# Altium PCB BMD-300-Eval.PcbDoc (part 2 of 3)
Units mm, origin at the board's own origin, x right, y up, seen from the top; angles counter-clockwise.
Board outline 87.63 x 55.88 mm, 4 copper layers (Top, Layer 2, Layer 3, Bottom), stack 1.58 mm thick; 189 components, 108 nets, 599 pads, 464 vias.
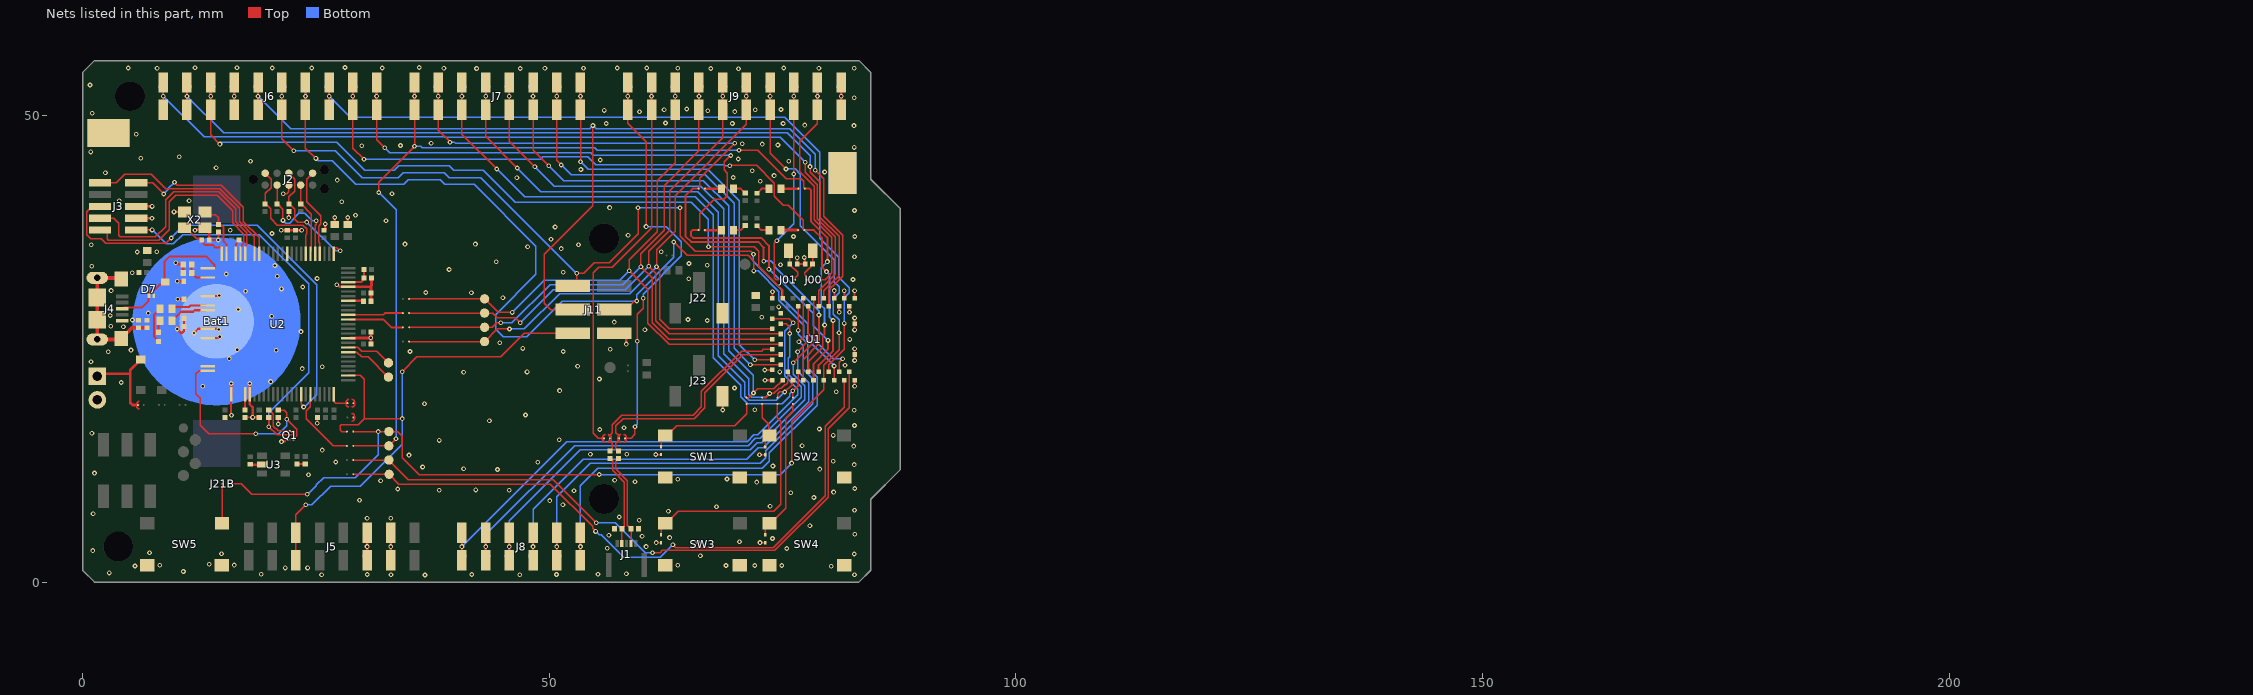
[diagram p4: the nets of this part, all layers, seen from the top]

## Via types
v1: diameter 0.508, hole 0.254, Top to Bottom, tented both sides, 241 vias
v2: diameter 0.508, hole 0.254, Top to Bottom, 223 vias

## Nets (pads, with @x,y where several pads share a name; then routed paths per layer and width w, separated by ;. In a path a pad name is that pad's centre, name@x,y a point inside that pad or via, vN(x,y) a via of type N, cw(c..) or ccw(c..) an arc to the next point about the centre after c; other vN are vias at no path point) (continued)
DHSD_P: D7.2 J4.3 R25.1 U2.76 | length 15
  Top w0.203: J4.3@4.404,29.423 6.314,29.423 7.069,30.178 7.069,30.651 D7.2@7.112,30.694 7.112,31.021 7.546,31.455 7.815,31.455 8.24,31.88 R25.1@8.54,31.88 ; R25.1@8.765,32.255 8.765,34.33 9.335,34.9 13.247,34.9 14.125,34.022 14.125,33.734 14.039,33.648 U2.76@13.139,33.648
EXT_GND_DETECT: J3.9 U2.67 | length 19.3
  Top w0.152: J3.9@5.76,42.799 7.494,42.799 v2(8.697,41.596) ; v2(9.847,42.846) 10.147,42.546 14.847,42.546 17.222,40.171 17.222,38.639 18.914,36.947 U2.67@18.914,35.173
  Bottom w0.152: v2(8.697,41.596) 9.197,42.096 9.197,42.196 v2(9.847,42.846)
EXT_RESETN: J3.10 U2.68 | length 22.4
  Top w0.152: J3.10@1.86,42.799 3.575,42.799 4.497,43.721 7.347,43.721 8.897,42.171 14.697,42.171 16.822,40.046 16.822,38.608 18.414,37.016 U2.68@18.414,35.173
EXT_SWCLK: J3.4 U2.70 | length 25.9
  Top w0.152: J3.4@1.86,38.989 3.329,38.989 3.872,38.446 3.872,37.171 4.047,36.996 7.797,36.996 8.89,38.089 8.89,40.964 9.747,41.821 14.572,41.821 16.397,39.996 16.397,38.602 17.577,37.422 17.577,36.21 17.472,36.106 17.472,35.896 17.414,35.838 U2.70@17.414,35.173
EXT_SWDIO: J3.2 U2.71 | length 24.8
  Top w0.152: J3.2@1.86,37.719 2.349,37.719 2.622,37.446 2.622,36.796 2.766,36.652 8.178,36.652 9.271,37.745 9.271,40.745 9.997,41.471 14.422,41.471 16.072,39.821 16.072,38.496 17.272,37.296 17.272,36.337 17.06,36.125 17.06,36.009 16.914,35.863 U2.71@16.914,35.173
EXT_SWO: J3.6 U2.18 | length 47.8
  Top w0.152: J3.6@1.86,40.259 1.016,40.259 0.431,39.674 0.431,37.219 0.871,36.779 2.007,36.779 2.489,36.297 8.915,36.297 v2(9.5,36.881) ; U2.18@23.414,20.123 23.414,19.055 23.673,18.796 v2(23.673,18.771)
  Bottom w0.152: v2(9.5,36.881) 10.846,38.227 18.694,38.227 25.07,31.852 25.07,20.091 23.724,18.745 23.698,18.771 v2(23.673,18.771)
EXT_VTG: J3.1 Q1.4 R13.1 | length 43.1
  Top w0.152: J3.1@5.76,37.719 5.785,37.744 v2(7.442,37.744) ; R13.1@19.939,17.634 v2(19.939,16.662) 20.828,15.773 22.454,15.773 22.575,15.895 Q1.4@22.575,16.198
  Bottom w0.152: v2(7.442,37.744) 8.941,36.246 9.728,36.246 10.719,37.236 18.923,37.236 24.206,31.953 24.206,22.428 19.939,18.161 v2(19.939,16.662)
GND: Bat1.2 C1.2 C2.1 C3.2 C4.2 C5.2 C6.2 C7.2 C8.2 C9.2 C10.2 C11.2 C12.2 C13.2 C14.2 C15.2 C16.2 C17.2 C18.2 C19.2 C20.2 C21.2 C22.2 C23.2 C24.2 C25.2 C26.2 C27.2 C28.1 C29.2 C30.2 D1.2 D2.2 D3.2 D4.2 D7.3 J2.3 J3.3 J3.5 J4.5 J5.6 J5.7 J6.4 J9.10 J11.6 J12.2 J22.1 J23.1 JJLD.1 JVCD.1 Q1.1 R12.1 R14.2 R15.1 R16.1 R17.2 R24.1 R26.2 SW1.3 SW1.4 SW2.3 SW2.4 SW3.3 SW3.4 SW4.3 SW4.4 SW5.3 SW5.4 TP50.1 TP51.1 TP52.1 TP53.1 TP56.1 TP57.1 TP58.1 U1.1 U1.2 U1.3 U1.4 U1.5 U1.16 U1.18 U1.29 U1.30 U1.45 U1.46 U1.47 U2.3 U2.7 U2.35 U2.46 U2.61 U2.72 U2.82 U2.89 U2.91 U2.97 U3.2 X2.2 X2.4 | length 78.7
  Top w0.152: R17.2@17.399,17.653 v2(18.212,17.653) ; v2(20.955,16.942) R12.1@20.955,17.634 ; v2(21.488,41.605) 21.869,41.605 22.098,41.834 J2.3@22.098,42.545 ; v2(22.098,39.065) R16.1@22.098,39.732 ; v1(25.146,17.018) C18.2@25.146,17.634 ; v2(61.418,13.677) D1.2@61.976,13.677 ; v2(61.455,4.24) D3.2@61.976,4.24 ; v2(72.523,13.638) D2.2@73.152,13.638 ; v2(72.575,4.24) D4.2@73.152,4.24
  Top w0.203: U2.82@13.139,30.648 14.595,30.648 14.63,30.683 v2(14.63,30.709) ; U2.91@13.389,26.148 14.568,26.148 v2(14.707,26.286) ; v2@15.906,17.811 15.906,18.275 15.9,18.281 15.9,19.859 U2.3@15.906,19.865 ; U2.72@16.414,35.423 16.415,35.424 16.415,36.23 C14.2@16.742,36.557 ; v2(21.311,15.062) 21.639,15.062 Q1.1@21.871,15.294 ; v2(76.571,34.749) C5.2@76.571,34.092 C4.2@77.422,34.092 77.394,34.12 77.394,34.715 v2(77.318,34.791) 77.318,34.809 v2@77.339,34.831 ; U1.5@80.515,30.44 80.543,30.468 v2(80.543,31.242) ; v2(81.065,28.93) U1.4@81.065,29.54 ; U1.3@81.615,30.44 v2(81.615,31.23) ; v2(82.165,28.93) U1.2@82.165,29.54 ; v2(82.715,20.98) U1.45@82.715,21.64 ; v2(82.715,23.755) U1.46@82.715,24.39 v2(82.715,25.005) ; v2(82.715,27.03) U1.47@82.715,27.69 v2(82.715,28.305) ; U1.1@82.715,30.44 v2(82.715,31.23)
  Top w0.254: J3.3@5.76,38.989 v2(7.431,38.989) ; J3.5@5.76,40.259 v2(7.444,40.259) ; v2(9.796,39.674) X2.2@10.924,39.674 ; v2(9.982,34.214) 10.135,34.061 10.747,34.061 R15.1@10.783,34.025 C10.2@10.783,33.136 ; v2(10.148,32.247) C9.2@10.833,32.247 ; v2(10.18,30.315) C7.2@10.862,30.315 ; v2@10.191,27.329 10.135,27.272 v2(10.135,27.127) 10.604,26.657 10.862,26.915 C8.2@10.862,27.394 C6.2@10.862,28.283 ; v2(11.938,26.695) 11.938,26.703 12.388,27.153 14.503,27.153 v2(14.58,27.076) ; v2(12.04,37.719) 12.116,37.795 X2.4@12.446,37.795 ; X2.4@13.567,37.531 C12.2@13.567,36.665 v2(14.525,36.665) 14.564,36.704 C11.2@14.564,37.535 ; v2@15.906,17.811 15.951,17.856 v2(15.951,17.882) ; U2.3@15.906,19.865 15.926,19.885 v2(15.926,21.285) ; J6.4@16.256,50.605 v2(16.256,52.07) J6.4@16.256,53.535 ; U2.7@17.907,20.123 v2(17.907,21.285) ; U2.7@17.914,20.123 17.914,19.043 18.244,18.713 18.212,18.681 v2(18.212,17.653) 18.904,17.653 C15.2@18.923,17.634 ; C29.2@17.954,12.639 18.004,12.589 U3.2@19.204,12.589 ; v2@21.265,37.695 v2(21.27,37.7) ; C30.2@22.962,12.656 R14.2@23.851,12.656 ; v2(27.229,31.877) 27.338,31.877 27.559,31.656 27.726,31.656 27.734,31.648 30.836,31.648 ; J5.6@30.48,2.345 v2(30.48,3.81) J5.6@30.48,5.275 ; J5.7@33.02,2.345 v2(33.02,3.81) J5.7@33.02,5.275 ; J11.6@56.957,26.67 57.875,26.67 58.24,26.305 v2(58.24,25.505) ; v2(68.58,18.44) J23.1@68.58,19.94 ; v2(73.09,22.73) 73.905,22.73 U1.29@73.915,22.74 ; v2(73.115,21.63) 73.905,21.63 U1.30@73.915,21.64 ; U1.16@73.914,30.441 v2(73.914,31.115) ; J9.10@81.28,50.605 v2(81.28,52.07) J9.10@81.28,53.535
  Top w0.305: v2(21.27,37.7) C16.2@21.93,37.7 C17.2@22.819,37.7 v2(23.46,37.7) ; C19.2@25.867,37.7 25.99,37.823 v2(25.99,38.38) ; C20.2@27.01,38.331 v2(27.01,39.075) ; C21.2@28.407,38.331 v2(28.407,39.075) ; U2.35@28.689,26.148 30.847,26.148 v2(30.88,26.181) ; C23.2@30.88,25.527 v2(30.88,26.181) ; C24.2@30.88,26.797 v2(30.88,26.181) ; R24.1@30.88,30.099 C25.2@30.88,30.988 30.88,31.604 30.836,31.648 30.966,31.778 C22.2@30.966,32.474
  other v1: 36.678,0.762 25.603,0.787 33.045,0.787 46.838,0.787 82.702,0.787 30.505,0.813 41.681,0.813 50.775,0.813 19.152,0.838 55.22,0.838 58.268,0.889 2.845,0.991 10.795,1.143 21.717,1.524 24.105,1.524 80.213,1.702 5.613,1.727 68.936,1.778 72.009,1.778 74.905,1.778 8.255,1.803 63.754,1.803 16.256,1.829 13.564,1.905 66.192,2.819 82.677,3.023 14.884,3.048 7.163,3.15 1.092,3.378 75.438,3.607 56.21,3.632 60.376,3.81 65.938,4.267 70.383,4.318 73.914,4.674 62.89,4.775 59.944,4.928 56.388,5.029 82.728,5.131 77.927,6.045 59.639,6.629 30.48,6.858 33.02,6.858 57.506,6.985 1.118,7.315 62.763,7.595 82.702,7.696 67.92,8.077 73.66,8.128 51.46,8.306 50.038,8.738 29.667,8.763 78.359,9.068 75.87,9.576 80.467,9.652 52.654,9.804 38.202,9.855 45.72,9.855 42.113,9.881 33.757,9.982 82.728,10.033 72.238,10.719 59.182,10.77 31.928,10.871 56.998,10.922 63.754,11.024 69.037,11.049 24.206,11.506 1.27,11.684 44.45,12.065 78.994,12.116 40.818,12.141 36.424,12.344 73.965,12.446 82.677,12.598 48.768,12.852 27.127,12.878 80.442,12.954 34.976,13.614 58.293,13.691 54.407,13.716 25.679,14.148 82.626,14.58 77.089,14.605 38.202,15.189 51.079,15.265 80.416,15.723 0.991,15.951 55.397,16.358 78.943,16.408 58.014,16.535 82.702,16.789 43.586,17.297 47.447,17.907 82.677,18.415 72.009,18.466 36.627,19.126 80.747,20.396 51.105,20.523 69.85,20.803 12.878,20.98 4.14,21.387 20.142,21.488 55.372,21.768 40.818,22.504 47.625,22.53 74.701,22.53 23.52,22.885 25.679,23.089 53.035,23.139 81.686,23.241 0.889,23.622 15.697,23.952 2.743,24.689 35.077,24.714 51.511,24.714 20.752,24.841 5.182,24.867 16.561,24.917 56.54,24.943 47.168,25.044 44.704,25.654 82.194,26.01 23.393,26.848 60.249,27.051 4.369,27.356 3.023,27.407 56.972,27.864 66.929,28.042 5.334,28.092 64.872,28.143 20.244,28.499 2.972,28.575 7.036,28.829 16.688,29.21 45.034,30.48 41.656,31.013 36.754,31.039 17.45,31.166 3.048,31.242 21.311,31.42 23.571,31.623 82.55,32.436 64.948,32.512 25.121,32.537 20.853,32.766 15.392,33.02 51.511,33.198 39.268,33.503 0.965,33.858 20.599,33.934 66.929,33.96 74.778,34.011 64.973,34.138 44.323,34.341 82.702,34.874 62.001,35.408 51.283,35.738 47.676,35.941 0.914,36.144 53.137,36.144 34.544,36.22 42.088,36.22 50.19,36.728 76.175,37.033 82.728,37.033 58.445,37.16 20.295,37.363 50.622,38.049 32.512,38.735 29.235,39.319 82.702,39.827 56.464,40.132 27.762,40.767 3.912,40.869 33.147,41.631 72.593,42.951 27.28,43.078 46.533,43.332 69.723,43.358 74.092,43.561 2.438,43.866 79.502,43.942 71.755,44.069 53.391,44.221 14.3,44.399 17.983,45.11 75.667,45.11 55.474,45.237 70.256,45.339 6.223,45.415 10.363,45.593 0.864,46.101 82.677,46.584 29.896,46.761 34.061,46.787 74.498,46.838 72.822,46.939 70.688,46.965 37.338,47.041 5.74,48.006 82.652,48.92 77.368,48.971 56.109,49.149 69.621,49.149 75.057,49.149 62.459,49.2 1.016,50.241 59.665,50.394 69.875,50.419 66.98,50.521 55.88,50.546 62.306,50.622 72.06,50.622 74.828,50.648 64.719,50.698 82.677,51.918 0.787,53.264 70.282,55.016 42.215,55.042 46.888,55.042 67.31,55.042 7.976,55.067 38.71,55.067 49.53,55.067 53.67,55.067 63.754,55.067 78.892,55.067 82.677,55.067 4.877,55.093 20.32,55.093 24.562,55.093 32.106,55.093 57.277,55.093 60.452,55.093 75.133,55.093 12.04,55.118 16.535,55.118 28.118,55.143 36.068,55.143
  other v2: 72.771,28.372 74.6,29.489 5.309,33.147 5.842,35.382 7.95,35.408 15.824,37.719 11.405,40.869
IMCU_RESETN: J2.10 R11.1 U2.57 | length 12.4
  Top w0.152: J2.10@19.558,43.815 20.187,43.186 20.187,42.285 19.558,41.656 R11.1@19.558,40.532 19.616,40.532 20.165,39.983 20.165,38.966 20.879,38.252 23.593,38.252 23.99,37.855 23.99,37.28 23.914,37.204 23.914,37.093 23.917,37.089 23.917,35.426 U2.57@23.914,35.423
IMCU_TCK: J2.4 R10.1 U2.56 | length 7.7
  Top w0.152: J2.4@23.368,42.545 R10.1@23.368,40.532 23.426,40.532 24.511,39.447 24.511,35.52 U2.56@24.414,35.423
IMCU_TDI: J2.8 R16.2 U2.51 | length 13.5
  Top w0.152: J2.8@22.098,43.815 22.733,43.18 22.733,41.91 22.098,41.275 R16.2@22.098,40.532 22.156,40.532 22.733,39.955 22.733,38.887 23.063,38.557 23.978,38.557 v2(24.003,38.583) ; U2.51@26.914,35.173 26.914,35.838 26.922,35.846 27.247,35.846 v2(27.597,35.496)
  Bottom w0.152: v2(24.003,38.583) 24.028,38.583 27.115,35.496 v2(27.597,35.496)
IMCU_TDO: J2.6 U2.54 | length 9.4
  Top w0.152: J2.6@24.638,43.815 24.003,43.18 24.003,40.767 25.502,39.268 25.502,38.384 25.273,38.155 25.273,36.449 25.414,36.308 U2.54@25.414,35.423
IMCU_TMS: J2.2 R9.1 U2.55 | length 12.1
  Top w0.152: J2.2@20.828,42.545 R9.1@20.828,40.532 20.886,40.532 21.463,39.955 21.463,38.862 21.565,38.76 v2(21.463,38.76) ; U2.55@24.914,35.423 24.914,38.227 25.019,38.332 v2(25.019,38.735)
  Bottom w0.152: v2(21.463,38.76) 21.768,38.456 22.171,38.456 22.682,38.967 22.682,39.036 23.168,39.522 23.825,39.522 24.613,38.735 v2(25.019,38.735)
NetC4_1: C4.1 J00.1 X1.1 | length 3.6
  Top w0.152: J00.1@77.6,32.39 77.6,32.645 77.365,32.88 77.365,33.155 78.222,34.012 C4.1@78.222,34.092 78.233,34.103 X1.1@78.233,35.489
NetC5_1: C5.1 J01.1 X1.2 | length 3.6
  Top w0.152: X1.2@75.633,35.489 75.771,35.351 C5.1@75.771,34.092 ; C5.1@75.771,34.034 76.216,33.588 76.257,33.588 76.64,33.205 76.64,32.905 76.35,32.615 J01.1@76.35,32.39
NetC10_1: C10.1 R15.2 U2.78 | length 2.6
  Top w0.203: C10.1@11.633,33.136 11.638,33.136 12.126,32.648 U2.78@13.139,32.648 ; C10.1@11.683,33.136 R15.2@11.683,34.025
NetC11_1: C11.1 U2.74 X2.1 | length 5.8
  Top w0.203: X2.1@13.124,39.674 13.428,39.37 14.224,39.37 14.564,39.03 C11.1@14.564,38.335 14.736,38.163 14.971,38.163 15.093,38.041 15.093,36.517 15.414,36.196 U2.74@15.414,35.423
NetC12_1: C12.1 U2.75 X2.3 | length 5.4
  Top w0.203: X2.3@10.924,37.974 11.048,37.974 12.217,36.805 12.627,36.805 C12.1@12.767,36.665 12.94,36.492 12.94,36.305 13.109,36.136 13.932,36.136 14.229,35.839 14.914,35.839 U2.75@14.914,35.423
NetC22_1: C22.1 R22.1 U2.47 | length 2.6
  Top w0.203: U2.47@28.689,32.148 29.84,32.148 30.166,32.474 R22.1@30.166,33.49
NetD1_1: D1.1 J13.1 SW1.1 | length 12.1
  Top w0.152: D1.1@61.976,14.517 61.976,15.267 SW1.1@62.421,15.712 62.572,15.712 63.64,16.78 69.89,16.78 71.149,18.039 J13.1@71.149,19.104
NetD2_1: D2.1 J14.1 SW2.1 | length 5.3
  Top w0.152: J14.1@72.8,19.104 72.8,17.624 73.519,16.905 SW2.1@73.519,15.712 ; D2.1@73.152,14.478 73.152,15.267 SW2.1@73.519,15.635 ; SW2.1@73.483,15.712 SW2.1@73.519,15.712 ; SW2.1@73.519,15.635 SW2.1@73.519,15.712 ; SW2.1@73.519,15.635 SW2.1@73.597,15.712 SW2.1@73.519,15.712
NetD3_1: D3.1 J15.1 SW3.1 | length 25.4
  Top w0.152: D3.1@61.976,5.08 61.976,5.869 SW3.1@62.421,6.314 ; SW3.1@62.549,6.314 63.815,7.58 74.04,7.58 74.815,8.355 74.815,17.235 74.451,17.599 J15.1@74.451,19.104
NetD4_1: D4.1 J16.1 SW4.1 | length 15.4
  Top w0.152: D4.1@73.152,5.08 73.152,5.869 SW4.1@73.597,6.314 73.878,6.314 73.878,6.468 75.34,7.93 75.34,17.555 76.102,18.317 J16.1@76.102,19.104
NetD5_A: D5.A R7.1 | length 1.3
  Top w0.203: R7.1@8.14,26.78 8.14,27.892 D5.A@8.268,28.02
NetD5_C: D5.C U2.85 | length 4
  Top w0.254: D5.C@9.568,28.02 9.605,28.02 10.565,28.98 11.84,28.98 12.008,29.148 U2.85@13.139,29.148
NetD6_A: D6.A R8.1 | length 4
  Top w0.203: R8.1@8.14,25.805 8.14,25.82 7.626,26.334 7.626,28.573 8.268,29.215 D6.A@8.268,29.29
NetD6_C: D6.C U2.84 | length 3.7
  Top w0.254: D6.C@9.568,29.29 9.758,29.48 11.39,29.48 11.558,29.648 U2.84@13.139,29.648
NetD10_A: D10.A J12.1 JEXT.2 | length 9.6
  Top w0.305: J12.1@1.524,22.325 5.078,22.325 5.105,22.352 ; JEXT.2@5.928,18.974 5.754,18.974 5.359,18.974 5.105,19.228 5.105,22.352 ; D10.A@6.241,23.858 5.105,22.723 5.105,22.352
NetJ17_1: J17.1 LED1.C | length 1.8
  Top w0.254: J17.1@66.675,42.164 LED1.C@68.438,42.164
NetJ18_1: J18.1 LED2.C | length 1.9
  Top w0.254: LED2.C@74.818,42.164 J18.1@76.708,42.164
NetJ19_1: J19.1 LED3.C | length 1.8
  Top w0.254: J19.1@66.675,37.719 LED3.C@68.438,37.719
NetJ20_1: J20.1 LED4.C | length 1.8
  Top w0.305: LED4.C@74.818,37.719 J20.1@76.667,37.719
NetJ21B_2: J21B.2 SW5.2 | length 4.3
  Top w0.152: SW5.2@14.922,6.314 14.986,6.378 J21B.2@14.986,10.541
NetJJLD_2: JJLD.2 U2.25 | length 2.3
  Top w0.152: U2.25@26.914,20.123 26.914,19.39 27.127,19.177 28.197,19.177 JJLD.2@28.372,19.177
NetLED1_A: LED1.A R3.1 | length 1.4
  Top w0.203: LED1.A@69.738,42.164 70.523,42.164 R3.1@70.993,41.694
NetLED2_A: LED2.A R4.1 | length 1.5
  Top w0.203: R4.1@72.263,41.675 72.752,42.164 LED2.A@73.518,42.164
NetLED3_A: LED3.A R5.2 | length 1.5
  Top w0.203: LED3.A@69.738,37.719 70.504,37.719 R5.2@70.993,38.208
NetLED4_A: LED4.A R6.2 | length 1.4
  Top w0.203: R6.2@72.263,38.189 72.733,37.719 LED4.A@73.518,37.719
NetQ1_3: Q1.3 R12.2 U2.98 | length 22.3
  Top w0.152: U2.98@13.389,22.648 13.38,22.657 12.471,22.657 12.141,22.327 12.141,20.194 12.624,19.711 12.624,16.815 13.538,15.9 v2(18.542,15.9) ; R12.2@20.955,18.434 21.596,18.434 21.869,18.161 v2(21.869,17.45) 21.869,17.475 22.962,16.383 22.962,15.685 Q1.3@22.575,15.298
  Bottom w0.152: v2(18.542,15.9) 21.035,15.9 21.869,16.734 v2(21.869,17.45)
NetQ1_5: Q1.5 Q1.6 R13.2 | length 4
  Top w0.152: R13.2@19.939,18.434 20.11,18.263 20.193,18.263 20.447,18.009 20.447,17.45 20.443,17.445 20.443,16.718 20.962,16.198 Q1.6@21.875,16.198 Q1.5@22.225,16.198
NetR17_1: R17.1 U2.6 | length 1.7
  Top w0.203: R17.1@17.399,18.453 17.414,18.468 U2.6@17.414,20.123
NetR24_2: R24.2 U2.43 | length 1.4
  Top w0.229: U2.43@28.689,30.148 30.031,30.148 R24.2@30.08,30.099
NetTP41_1: TP41.1 U2.32 | length 5.4
  Top w0.152: U2.32@28.439,24.648 29.395,24.648 29.897,24.146 30.591,24.146 TP41.1@32.766,21.971
NetTP42_1: TP42.1 U2.33 | length 5
  Top w0.152: U2.33@28.439,25.148 29.47,25.148 29.897,24.721 31.54,24.721 TP42.1@32.766,23.495
NFC1: C2.2 J1.2 R1.1 | length 9.9
  Top w0.152: R1.1@56.515,13.265 56.794,12.986 56.794,11.963 58.039,10.719 58.039,5.986 C2.2@57.781,5.728 ; J1.2@57.77,4.142 C2.2@57.77,5.717
NFC2: C3.1 J1.4 R2.1 | length 9.9
  Top w0.152: R2.1@57.404,13.265 57.099,12.96 57.099,12.141 58.369,10.871 58.369,6.118 C3.1@58.759,5.728 58.77,5.717 J1.4@58.77,4.142
NRESET: J5.3 J11.5 J21.1 U2.27 | length 61.5
  Top w0.152: J5.3@22.86,2.345 J5.3@22.86,5.275 22.86,7.239 v2(23.901,8.28) ; J21.1@28.321,16.129 27.762,16.129 27.584,16.307 27.584,16.739 27.735,16.889 29.513,16.889 30.15,17.526 ; U2.27@28.439,22.148 29.744,22.148 30.15,21.742 30.15,17.526 ; v2(34.239,17.526) 30.15,17.526 ; v2(34.239,22.555) 35.814,24.13 44.806,24.13 47.346,26.67 J11.5@52.517,26.67
  Bottom w0.152: v2(23.901,8.28) 24.562,8.28 26.568,10.287 29.769,10.287 34.239,14.757 v2(34.239,22.555)
P00: J00.3 J9.9 TP1.1 | length 25.1
  Top w0.152: J9.9@78.74,50.605 78.74,49.105 76.865,47.23 76.865,43.988 78.415,42.438 78.415,38.818 80.289,36.943 80.289,33.129 79.55,32.39 J00.3@79.101,32.39
  Top w0.203: J9.9@78.74,50.605 v2(78.74,52.07) J9.9@78.74,53.535
  Bottom w0.203: v2(78.74,52.07) TP1.1@78.74,53.086
P01: J01.3 J9.8 TP2.1 | length 23.6
  Top w0.152: v2(74.39,36.58) 74.115,36.305 74.115,32.605 74.33,32.39 J01.3@74.849,32.39 ; v2(76.2,43.739) J9.8@76.2,50.605
  Top w0.203: J9.8@76.2,50.605 v2(76.2,52.07) J9.8@76.2,53.535
  Bottom w0.152: v2(74.39,36.58) 76.215,38.405 76.2,38.42 v2(76.2,43.739)
  Bottom w0.203: v2(76.2,52.07) TP2.1@76.2,53.086
P02: J6.3 TP3.1 U1.15 | length 78.8
  Top w0.152: J6.3@13.716,50.605 13.716,47.93 v2(14.707,46.939) ; v2(67.056,35.941) 71.958,35.941 72.441,35.458 72.441,33.833 75.015,31.259 U1.15@75.015,30.44
  Top w0.203: J6.3@13.716,50.605 v2(13.716,52.07) J6.3@13.716,53.535
  Bottom w0.152: v2(14.707,46.939) 14.884,47.117 27.254,47.117 30.226,44.145 33.402,44.145 33.859,44.602 39.297,44.602 39.754,44.145 42.93,44.145 46.35,40.725 65.193,40.725 67.056,38.862 v2(67.056,35.941)
  Bottom w0.203: v2(13.716,52.07) TP3.1@13.716,53.086
P03: J8.1 TP4.1 U1.19 | length 57.8
  Top w0.152: U1.19@73.915,28.24 75.705,28.24 v2(76.14,27.805)
  Top w0.203: J8.1@40.64,2.345 v2(40.64,3.81) J8.1@40.64,5.275
  Bottom w0.152: TP4.1@40.64,2.794 v2(40.64,3.81) 51.892,15.062 71.196,15.062 71.933,15.799 72.365,15.799 76.632,20.066 76.632,20.676 75.209,22.098 75.209,26.874 v2(76.14,27.805)
P04: J8.2 TP5.1 U1.20 | length 54.4
  Top w0.152: U1.20@74.815,27.69 75.409,27.69 75.768,27.33 v2(75.768,26.645)
  Top w0.203: J8.2@43.18,2.345 J8.2@43.18,5.275
  Bottom w0.152: TP5.1@43.18,2.794 v2(43.18,3.81) 43.18,5.105 52.705,14.63 71.323,14.63 72.085,15.392 72.593,15.392 76.987,19.787 76.987,20.93 75.616,22.301 75.616,24.003 75.768,24.155 v2(75.768,26.645)
P05: J05.2 J9.6 TP6.1 TP35.1 U1.21 | length 72.9
  Top w0.152: J05.2@34.985,25.781 TP35.1@43.072,25.781 44.418,27.127 v2(45.745,27.127) ; J9.6@71.12,50.605 71.12,49.047 63.475,41.402 63.475,37.617 61.493,35.636 v2(61.493,33.807) 61.849,33.452 61.849,28.143 62.852,27.14 U1.21@73.915,27.14
  Top w0.203: J9.6@71.12,50.605 v2(71.12,52.07) J9.6@71.12,53.535
  Bottom w0.152: v2(45.745,27.127) 47.32,27.127 51.105,30.912 58.598,30.912 v2(61.493,33.807)
  Bottom w0.203: v2(71.12,52.07) TP6.1@71.12,53.086
P06: J06.2 J9.5 TP7.1 TP36.1 U1.22 | length 72.7
  Top w0.152: J06.2@34.985,28.829 TP36.1@43.072,28.829 43.939,28.829 44.421,28.346 46.33,28.346 v2(46.888,27.788) ; J9.5@68.58,50.605 68.58,47.6 62.916,41.935 62.916,37.694 60.655,35.433 v2(60.655,33.858) 61.417,33.096 61.417,28.016 62.843,26.59 U1.22@74.815,26.59
  Top w0.203: J9.5@68.58,50.605 v2(68.58,52.07) J9.5@68.58,53.535
  Bottom w0.152: v2(46.888,27.788) 50.444,31.344 58.141,31.344 v2(60.655,33.858)
  Bottom w0.203: v2(68.58,52.07) TP7.1@68.58,53.086
P07: J07.2 J9.4 TP8.1 TP37.1 U1.23 | length 71
  Top w0.152: J07.2@34.985,27.305 TP37.1@43.072,27.305 43.906,27.305 44.389,27.788 v2(44.806,27.788) ; J9.4@66.04,50.605 66.04,46.228 62.306,42.494 62.306,37.694 59.817,35.204 v2(59.817,33.807) 61.011,32.614 61.011,27.813 62.784,26.04 U1.23@73.915,26.04
  Top w0.203: J9.4@66.04,50.605 v2(66.04,52.07) J9.4@66.04,53.535
  Bottom w0.152: v2(44.806,27.788) 45.999,27.788 50.089,31.877 57.887,31.877 v2(59.817,33.807)
  Bottom w0.203: v2(66.04,52.07) TP8.1@66.04,53.086
P08: J08.2 J9.3 TP9.1 TP38.1 U1.24 | length 70.9
  Top w0.152: J08.2@34.985,30.353 TP38.1@43.072,30.353 44.52,28.905 ; 44.522,28.905 v2(46.025,28.905) v2@45.999,28.931 ; J9.3@63.5,50.605 63.5,44.933 61.595,43.028 61.595,37.567 58.572,34.544 v2(58.572,33.376) 60.554,31.394 60.554,27.762 62.831,25.485 72.695,25.485 U1.24@74.815,25.49
  Top w0.203: J9.3@63.5,50.605 v2(63.5,52.07) J9.3@63.5,53.535
  Bottom w0.152: v2(46.025,28.905) 49.454,32.334 57.531,32.334 v2(58.572,33.376)
  Bottom w0.203: v2(63.5,52.07) TP9.1@63.5,53.086
P09: J09.2 J9.2 TP10.1 | length 43.4
  Top w0.152: J09.2@55.865,15.41 55.253,15.41 54.712,15.951 54.712,33.147 55.321,33.757 56.769,33.757 60.96,37.948 J9.2@60.96,50.605
  Top w0.203: J9.2@60.96,50.605 v2(60.96,52.07) J9.2@60.96,53.535
  Bottom w0.203: v2(60.96,52.07) TP10.1@60.96,53.086
P09/NFC1: J09.1 R1.2 U1.25 | length 24.3
  Top w0.152: 56.388,15.24 56.533,15.095 56.769,14.859 56.769,14.319 R1.2@56.515,14.065 ; 56.388,15.621 56.512,15.745 56.769,16.002 56.769,16.891 57.785,17.907 65.405,17.907 66.294,18.796 66.294,20.447 70.612,24.765 72.771,24.765 72.946,24.94 U1.25@73.915,24.94
P10: J9.1 J10.2 TP11.1 | length 45.7
  Top w0.152: 58.289,15.41 58.768,15.41 59.182,15.824 v2(59.182,16.662) ; J9.1@58.42,50.605 58.42,49.149 60.376,47.193 v2(60.376,38.1) ; v2(59.436,25.806) 59.436,28.702 60.071,29.337 v2(60.071,30.429)
  Top w0.203: J10.2@58.115,15.41 58.289,15.41 ; J9.1@58.42,50.605 v2(58.42,52.07) J9.1@58.42,53.535
  Bottom w0.152: v2(59.182,16.662) 59.436,16.916 v2(59.436,25.806) ; v2(60.071,30.429) 60.071,30.861 64.16,34.95 64.16,36.5 62.56,38.1 v2(60.376,38.1)
  Bottom w0.203: v2(58.42,52.07) TP11.1@58.42,53.086
P10/NFC2: J10.1 R2.2 U1.26 | length 24.7
  Top w0.152: R2.2@57.404,14.065 57.15,14.319 57.15,14.859 57.418,15.127 57.531,15.24 ; J10.1@57.49,15.41 57.49,15.662 57.437,15.715 57.15,16.002 57.15,16.764 57.912,17.526 65.532,17.526 66.675,18.669 66.675,20.32 70.745,24.39 U1.26@74.815,24.39
P11: J7.8 TP12.1 U1.27 | length 47.9
  Top w0.152: J7.8@53.34,50.605 53.315,50.58 53.353,50.541 v2(53.353,45.034) ; v2@72.009,23.84 U1.27@73.915,23.84
  Top w0.203: J7.8@53.34,50.605 v2(53.34,52.07) J7.8@53.34,53.535
  Bottom w0.152: v2(53.34,52.07) TP12.1@53.34,53.086 ; v2(53.353,45.034) 53.391,45.034 54.175,44.25 66.975,44.25 70.383,40.842 70.383,25.451 v2(72.009,23.825)
P12: J7.7 TP13.1 U1.28 | length 51.5
  Top w0.152: J7.7@50.8,50.605 50.8,45.187 v2(51.283,44.704) ; v2@71.552,23.29 U1.28@74.815,23.29
  Top w0.203: J7.7@50.8,50.605 v2(50.8,52.07) J7.7@50.8,53.535
  Bottom w0.152: v2(51.283,44.704) 52.337,43.65 66.725,43.65 69.799,40.576 69.799,25.044 v2(71.552,23.292)
  Bottom w0.203: v2(50.8,52.07) TP13.1@50.8,53.086
P13: J7.6 J13.2 TP14.1 U1.31 | length 57.5
  Top w0.152: J7.6@48.26,53.535 v2(48.26,52.07) J7.6@48.26,50.605 48.26,46.304 v2(49.936,44.628) ; J13.2@71.149,19.78 71.393,19.78 v2(71.882,20.269) 72.314,20.701 74.076,20.701 U1.31@75.015,21.64
  Bottom w0.152: v2(48.26,52.07) TP14.1@48.26,53.086 ; v2(49.936,44.628) 51.539,43.025 66.525,43.025 69.24,40.31 69.24,24.79 71.882,22.149 v2(71.882,20.269)
P14: J7.5 J14.2 TP15.1 U1.32 | length 61.4
  Top w0.152: J7.5@45.72,53.535 v2(45.72,52.07) J7.5@45.72,50.605 45.72,47.244 v2(48.463,44.501) ; J14.2@72.8,19.78 73.171,19.78 v2(73.609,20.218) 74.041,20.218 74.625,20.803 74.854,20.803 75.218,21.166 75.355,21.166 75.565,21.377 U1.32@75.565,22.54
  Bottom w0.152: v2(45.72,52.07) TP15.1@45.72,53.086 ; v2(48.463,44.501) 50.539,42.425 66.25,42.425 68.682,39.993 68.682,24.486 71.374,21.793 71.374,20.095 71.682,19.787 73.177,19.787 v2(73.609,20.218)
P15: J7.4 J15.2 TP16.1 U1.33 | length 63.5
  Top w0.152: J7.4@43.18,53.535 v2(43.18,52.07) J7.4@43.18,50.605 43.18,47.752 v2(46.558,44.374) ; J15.2@74.502,19.78 74.502,20.197 74.685,20.38 v2(75.24,20.38) 76.015,21.155 U1.33@76.015,21.54
  Bottom w0.152: v2(43.18,52.07) TP16.1@43.18,53.086 ; v2(46.558,44.374) 49.107,41.825 65.925,41.825 68.097,39.653 68.097,24.282 70.968,21.412 70.968,19.939 71.425,19.482 74.342,19.482 v2(75.24,20.38)
P16: J7.3 J16.2 TP17.1 U1.34 | length 67.4
  Top w0.152: J7.3@40.64,53.535 v2(40.64,52.07) J7.3@40.64,50.605 40.64,48.006 v2(44.374,44.272) ; v2(76.098,20.498) v2@76.124,20.498 ; J16.2@76.102,19.78 76.102,20.476 v2@76.124,20.498 ; U1.34@76.665,22.54 76.665,21.039 v2@76.124,20.498
  Bottom w0.152: TP17.1@40.64,53.086 v2(40.64,52.07) v2@40.665,52.07 ; v2(44.374,44.272) 47.371,41.275 65.65,41.275 67.564,39.361 67.564,24.028 70.51,21.082 70.51,19.863 71.247,19.126 74.986,19.126 75.794,19.934 75.794,20.193 v2(76.098,20.498)
P17: J7.2 J17.2 TP18.1 U1.35 | length 77.8
  Top w0.152: J7.2@38.1,50.605 38.1,48.438 39.37,47.168 v2(39.37,47.142) ; J17.2@65.999,42.164 66.142,42.306 66.142,43.282 v2(69.875,47.015)
  Top w0.203: J7.2@38.1,50.605 v2(38.1,52.07) J7.2@38.1,53.535 ; J17.2@65.999,42.164 65.349,42.164 64.59,41.405 64.59,37.061 65.202,36.449 72.39,36.449 72.99,35.849 72.974,35.833 v2(72.974,34.392) ; U1.35@77.215,21.64 77.215,23.85 78.89,25.525 v2(78.89,28.63)
  Bottom w0.152: v2(39.37,47.142) 39.827,47.142 39.954,47.015 v2(69.875,47.015)
  Bottom w0.203: v2(38.1,52.07) TP18.1@38.1,53.086 ; v2(72.974,34.392) 72.974,34.315 73.05,34.392 73.762,34.392 74.143,34.011 74.143,33.807 78.89,29.06 v2(78.89,28.63)
P18: J7.1 J18.2 JSWO.2 TP19.1 TP39.1 U1.36 | length 112.6
  Top w0.152: JSWO.2@28.997,14.605 TP39.1@32.817,14.605 v2(33.579,15.367) ; v2(31.725,41.758) 31.725,42.875 v2(35.56,46.711) J7.1@35.56,50.605 ; v2(70.333,46.279) 72.339,46.279 75.387,43.231 77.013,43.231 77.267,42.977 77.267,42.281 J18.2@77.384,42.164
  Top w0.203: J7.1@35.56,50.605 v2(35.56,52.07) J7.1@35.56,53.535 ; J18.2@77.384,42.164 77.895,42.164 78.04,42.019 78.04,38.68 79.8,36.92 v2(79.8,34.35) ; U1.36@77.765,22.54 77.765,23.638 79.299,25.171 79.299,26.34 79.5,26.541 v2(79.5,27.55)
  Bottom w0.152: v2(31.725,41.758) 33.579,39.903 v2(33.579,15.367) ; v2(35.56,46.711) 36.22,46.711 36.398,46.533 54.889,46.533 55.143,46.279 v2(70.333,46.279)
  Bottom w0.203: v2(35.56,52.07) TP19.1@35.56,53.086 ; v2(79.5,27.55) 79.5,29.288 79.146,29.642 79.146,33.696 v2(79.8,34.35)
P19: J6.10 J19.2 TP20.1 U1.37 | length 83.9
  Top w0.152: J6.10@31.496,50.605 31.496,47.422 v2(32.36,46.558) ; J19.2@65.999,37.719 66.142,37.861 66.142,39.497 67.691,41.046 68.707,41.046 69.088,41.427 69.088,43.84 68.758,44.171 68.758,45.034 v2(69.444,45.72)
  Top w0.203: J6.10@31.496,50.605 v2(31.496,52.07) J6.10@31.496,53.535 ; J19.2@65.999,37.719 65.354,37.719 65.176,37.541 65.176,37.109 65.405,36.881 72.72,36.881 73.533,36.068 v2(73.533,33.528) ; U1.37@78.315,21.64 78.315,23.4 79.865,24.95 v2(79.865,25.905)
  Bottom w0.152: v2(32.36,46.558) 32.918,45.999 54.458,45.999 54.737,45.72 v2(69.444,45.72)
  Bottom w0.203: v2(31.496,52.07) TP20.1@31.496,53.086 ; v2(73.533,33.528) 73.592,33.528 78.283,28.837 78.283,27.487 v2(79.865,25.905)
P20: J6.9 J20.2 TP21.1 U1.38 | length 79.4
  Top w0.152: J6.9@28.956,50.605 28.956,46.507 v2(30.15,45.314) ; v2(69.342,44.628) 69.367,44.653 72.207,44.653 74.122,42.738 74.122,41.372 75.082,40.411 75.59,40.411 77.216,38.786 77.216,37.846 J20.2@77.343,37.719
  Top w0.203: J6.9@28.956,50.605 v2(28.956,52.07) J6.9@28.956,53.535 ; J20.2@77.343,37.719 77.354,37.73 78.365,37.73 79.24,36.855 79.24,33.731 79.697,33.274 v2(79.705,33.274) ; U1.38@78.865,22.54 78.865,23.26 80.415,24.81 v2(80.415,28.03)
  Bottom w0.152: v2(30.15,45.314) 49.073,45.314 49.327,45.568 54.127,45.568 54.991,44.704 68.783,44.704 68.859,44.628 v2(69.342,44.628)
  Bottom w0.203: v2(28.956,52.07) TP21.1@28.956,53.086 ; v2(79.705,33.274) 80.035,32.944 80.035,28.41 v2(80.415,28.03)
P21: J9.7 J21.2 J21B.3 TP22.1 TP40.1 U1.39 | length 119.5
  Top w0.152: J21B.3@15.736,10.541 16.993,10.541 18.11,9.423 v2(24.054,9.423) ; J21.2@28.997,16.129 v2(31.674,16.129) TP40.1@32.817,16.129 33.782,16.129 34.265,15.646 34.265,13.335 36.068,11.532 v2(55.347,11.532) ; J9.7@73.66,50.605 73.66,45.974 v2(75.362,44.272) ; v2(75.965,12.755) 75.965,17.18 79.415,20.63 U1.39@79.415,21.64 79.415,23.256 81.05,24.891 v2(81.05,26.725)
  Top w0.203: J9.7@73.66,50.605 v2(73.66,52.07) J9.7@73.66,53.535
  Bottom w0.152: v2(24.054,9.423) 24.105,9.423 25.019,10.338 25.019,10.411 25.81,11.201 29.235,11.201 31.674,13.64 v2(31.674,16.129) ; v2(55.347,11.532) 74.742,11.532 v2(75.965,12.755) ; v2(75.362,44.272) 76.352,44.272 76.911,43.713 76.911,38.202 80.543,34.569 80.543,32.156 81.051,31.648 81.051,30.988 80.442,30.378 80.442,28.727 81.051,28.118 81.05,28.116 v2(81.05,26.725)
  Bottom w0.203: v2(73.66,52.07) TP22.1@73.66,53.086
P22: J6.8 TP23.1 U1.40 | length 84.7
  Top w0.152: U1.40@79.965,22.54 79.965,23.298 81.6,24.933 v2(81.6,27.725)
  Top w0.203: J6.8@26.416,50.605 v2(26.416,52.07) J6.8@26.416,53.535
  Bottom w0.152: v2(26.416,52.07) 28.686,49.8 75.25,49.8 78.994,46.056 78.994,36.831 81.025,34.8 81.025,32.675 82.15,31.55 82.15,31 81.6,30.45 v2(81.6,27.725)
  Bottom w0.203: v2(26.416,52.07) TP23.1@26.416,53.086
P23: J6.7 J11.4 TP24.1 U1.41 | length 102
  Top w0.152: J6.7@23.876,50.605 23.876,46.507 24.981,45.402 v2(24.994,45.402) ; J11.4@56.957,29.21 58.166,29.21 59.08,30.124 v2(59.36,30.124) ; v2(63.348,36.449) 64.795,35.001 71.298,35.001 71.907,34.392 v2(71.907,33.35) ; U1.41@80.515,21.64 80.518,21.643 v2(80.518,23.165)
  Top w0.203: J6.7@23.876,50.605 v2(23.876,52.07) J6.7@23.876,53.535
  Bottom w0.152: v2(24.994,45.402) 24.994,45.39 25.248,45.136 26.772,45.136 29.286,42.621 34.417,42.621 34.9,43.104 38.31,43.104 38.792,42.621 41.961,42.621 48.565,36.017 48.565,32.969 44.272,28.677 44.272,27.076 45.06,26.289 47.574,26.289 51.41,30.124 v2(59.36,30.124) 59.36,30.81 63.348,34.798 v2(63.348,36.449) ; v2(71.907,33.35) 72.39,33.35 74.6,31.14 74.6,30.226 77.292,27.534 77.292,26.391 v2(80.518,23.165)
  Bottom w0.203: v2(23.876,52.07) TP24.1@23.876,53.086
P24: J6.6 J11.1 TP25.1 U1.42 | length 91.2
  Top w0.152: v2(21.336,52.07) J6.6@21.336,50.605 21.336,47.523 v2(22.631,46.228) ; J11.1@52.517,31.75 52.934,32.167 v2(52.934,33.096) 53.67,33.096 54.813,34.239 56.439,34.239 59.512,37.313 v2(59.512,40.107) ; v2(64.008,40.107) 64.008,37.059 65.634,35.433 71.577,35.433 v2(71.882,35.128) ; U1.42@81.065,22.54 81.065,23.559 v2(81.432,23.927)
  Top w0.203: v2(21.336,52.07) J6.6@21.336,53.535
  Bottom w0.152: v2(22.631,46.228) 27.051,46.228 29.947,43.332 33.807,43.332 34.341,43.866 38.735,43.866 39.268,43.332 42.672,43.332 52.908,33.096 v2(52.934,33.096) ; v2(59.512,40.107) v2(64.008,40.107) ; v2(71.882,35.128) 71.882,34.366 74.905,31.344 74.905,30.48 77.699,27.686 77.699,26.645 80.416,23.927 v2(81.432,23.927)
  Bottom w0.203: v2(21.336,52.07) TP25.1@21.336,53.086
P25: J6.5 J11.3 TP26.1 U1.6 | length 109.2
  Top w0.152: J11.3@52.517,29.21 50.165,29.21 49.475,29.9 49.475,35.125 54.675,40.325 v2(54.675,48.925) ; v2(78.49,44.13) 79.39,43.23 79.39,39.205 81.432,37.163 81.432,32.794 80.363,31.725 80.344,31.725 80.332,31.713 80.315,31.713 80.032,31.43 80.032,31.394 79.965,31.327 U1.6@79.965,29.54
  Top w0.203: J6.5@18.796,50.605 v2(18.796,52.07) J6.5@18.796,53.535
  Bottom w0.152: v2(18.796,52.07) 22.301,48.565 54.315,48.565 v2(54.675,48.925) 55.025,48.575 75.758,48.575 78.49,45.843 v2(78.49,44.13)
  Bottom w0.203: v2(18.796,52.07) TP26.1@18.796,53.086
P26: J6.2 TP27.1 U1.7 | length 90.6
  Top w0.152: v2(77.94,44.53) 77.94,43.929 79.04,42.829 79.04,39.055 81.051,37.044 81.051,32.844 80.237,32.029 80.217,32.029 80.205,32.017 80.189,32.017 79.728,31.556 79.728,31.52 79.415,31.208 U1.7@79.415,30.44
  Top w0.203: J6.2@11.176,50.605 v2(11.176,52.07) J6.2@11.176,53.535
  Bottom w0.152: v2(11.176,52.07) 15.113,48.133 75.489,48.133 77.94,45.682 v2(77.94,44.53)
  Bottom w0.203: v2(11.176,52.07) TP27.1@11.176,53.086
P27: J6.1 TP28.1 U1.8 | length 93.2
  Top w0.152: v2(77.415,45.005) 77.415,43.921 78.735,42.601 78.735,38.929 80.645,37.019 80.645,32.985 78.865,31.205 U1.8@78.865,29.54
  Top w0.203: J6.1@8.636,50.605 v2(8.636,52.07) J6.1@8.636,53.535
  Bottom w0.152: v2(8.636,52.07) 13.005,47.701 38.76,47.701 38.786,47.676 74.744,47.676 v2(77.415,45.005)
  Bottom w0.203: v2(8.636,52.07) TP28.1@8.636,53.086
P28: J8.3 TP29.1 U1.9 | length 56.1
  Top w0.152: v2(76.149,23.52) 78.315,25.686 U1.9@78.315,30.44
  Top w0.203: J8.3@45.72,2.345 v2(45.72,3.81) J8.3@45.72,5.275
  Bottom w0.152: TP29.1@45.72,2.794 v2(45.72,3.81) 45.72,6.579 53.34,14.199 71.552,14.199 72.288,14.935 72.771,14.935 77.394,19.558 77.394,21.057 76.149,22.301 v2(76.149,23.52)
P29: J8.4 TP30.1 U1.10 | length 53.5
  Top w0.152: v2(76.606,24.689) 77.765,25.847 U1.10@77.765,29.54
  Top w0.203: J8.4@48.26,2.345 J8.4@48.26,5.275
  Bottom w0.152: TP30.1@48.26,2.794 v2(48.26,3.81) 48.26,7.823 53.619,13.183 71.145,13.183 72.39,14.427 72.923,14.427 77.826,19.329 77.826,21.387 76.632,22.581 76.632,24.663 v2(76.606,24.689)
P30: J8.5 TP31.1 U1.11 | length 53.4
  Top w0.152: v2(76.75,25.75) 77.215,26.215 U1.11@77.215,30.44
  Top w0.203: J8.5@50.8,2.345 v2(50.8,3.81) J8.5@50.8,5.275
  Bottom w0.152: TP31.1@50.8,2.794 v2(50.8,3.81) 50.8,9.144 54.381,12.725 72.593,12.725 73.203,13.335 73.203,14.072 78.232,19.101 78.232,21.793 77.191,22.835 77.191,25.309 v2(76.75,25.75)
P31: J8.6 TP32.1 U1.12 | length 51.3
  Top w0.152: U1.12@76.665,29.54 76.65,29.525 76.675,29.5 v2(76.675,26.975)
  Top w0.203: J8.6@53.34,2.345 J8.6@53.34,5.275
  Bottom w0.152: TP32.1@53.34,2.794 v2(53.34,3.81) 53.34,10.338 55.22,12.217 72.822,12.217 73.584,12.979 73.584,13.843 78.689,18.948 78.689,21.971 77.673,22.987 77.673,25.552 76.675,26.551 v2(76.675,26.975)
RTS: J07.1 U2.39 | length 6
  Top w0.203: U2.39@28.689,28.148 32.22,28.148 33.063,27.305 J07.1@34.309,27.305
RXD: J06.1 U2.40 | length 5.7
  Top w0.203: U2.40@28.689,28.648 32.222,28.648 32.404,28.829 J06.1@34.309,28.829
SHIELD: C28.2 J4.6 R26.1 | length 14.9
  Top w0.406: J4.6@4.04,32.605 J4.6@1.565,32.605 J4.6@1.565,30.505 J4.6@1.565,28.105 J4.6@1.565,26.005 4.04,26.005 J4.6@4.14,26.105 5.297,27.262 C28.2@6,27.262 R26.1@6.889,27.262
SWCLK: JCLK.2 TP34.1 U1.43 | length 70.6
  Top w0.152: JCLK.2@28.997,11.557 TP34.1@32.842,11.557 33.884,10.516 50.089,10.516 54.635,5.969 54.635,5.766 v2(54.966,5.436) ; v2(63.246,4.013) 63.549,3.71 73.995,3.71 79.565,9.28 79.565,16.705 81.615,18.755 U1.43@81.615,21.64
  Bottom w0.152: v2(54.966,5.436) 55.347,5.055 55.55,5.055 57.963,2.642 61.874,2.642 v2(63.246,4.013)
SWDIO: JDIO.2 TP33.1 U1.44 | length 71.8
  Top w0.152: JDIO.2@28.997,13.081 TP33.1@32.817,13.081 34.9,10.998 50.419,10.998 v2(55.042,6.375) ; v2(61.065,3.155) 61.865,3.155 62.11,3.4 74.185,3.4 79.908,9.123 79.908,16.423 82.165,18.68 U1.44@82.165,22.54
  Bottom w0.152: v2(55.042,6.375) 57.048,6.375 60.269,3.155 v2(61.065,3.155)
SWOIN: JSWO.1 U2.20 | length 8.4
  Top w0.152: U2.20@24.414,20.123 24.414,18.789 24.294,18.669 24.26,18.669 23.978,18.386 23.978,17.504 26.877,14.605 JSWO.1@28.321,14.605